# Altium PCB PCB2.PcbDoc (part 3 of 3)
Units mil, origin at the board's own origin, x right, y up, seen from the top; angles counter-clockwise.
Board outline 8413.39 x 5625.98 mil, 6 copper layers (Top Layer, GND1, Misc, Power, GND2, Bottom Layer), stack 58.89 mil thick; 205 components, 372 nets, 1456 pads, 1132 vias.
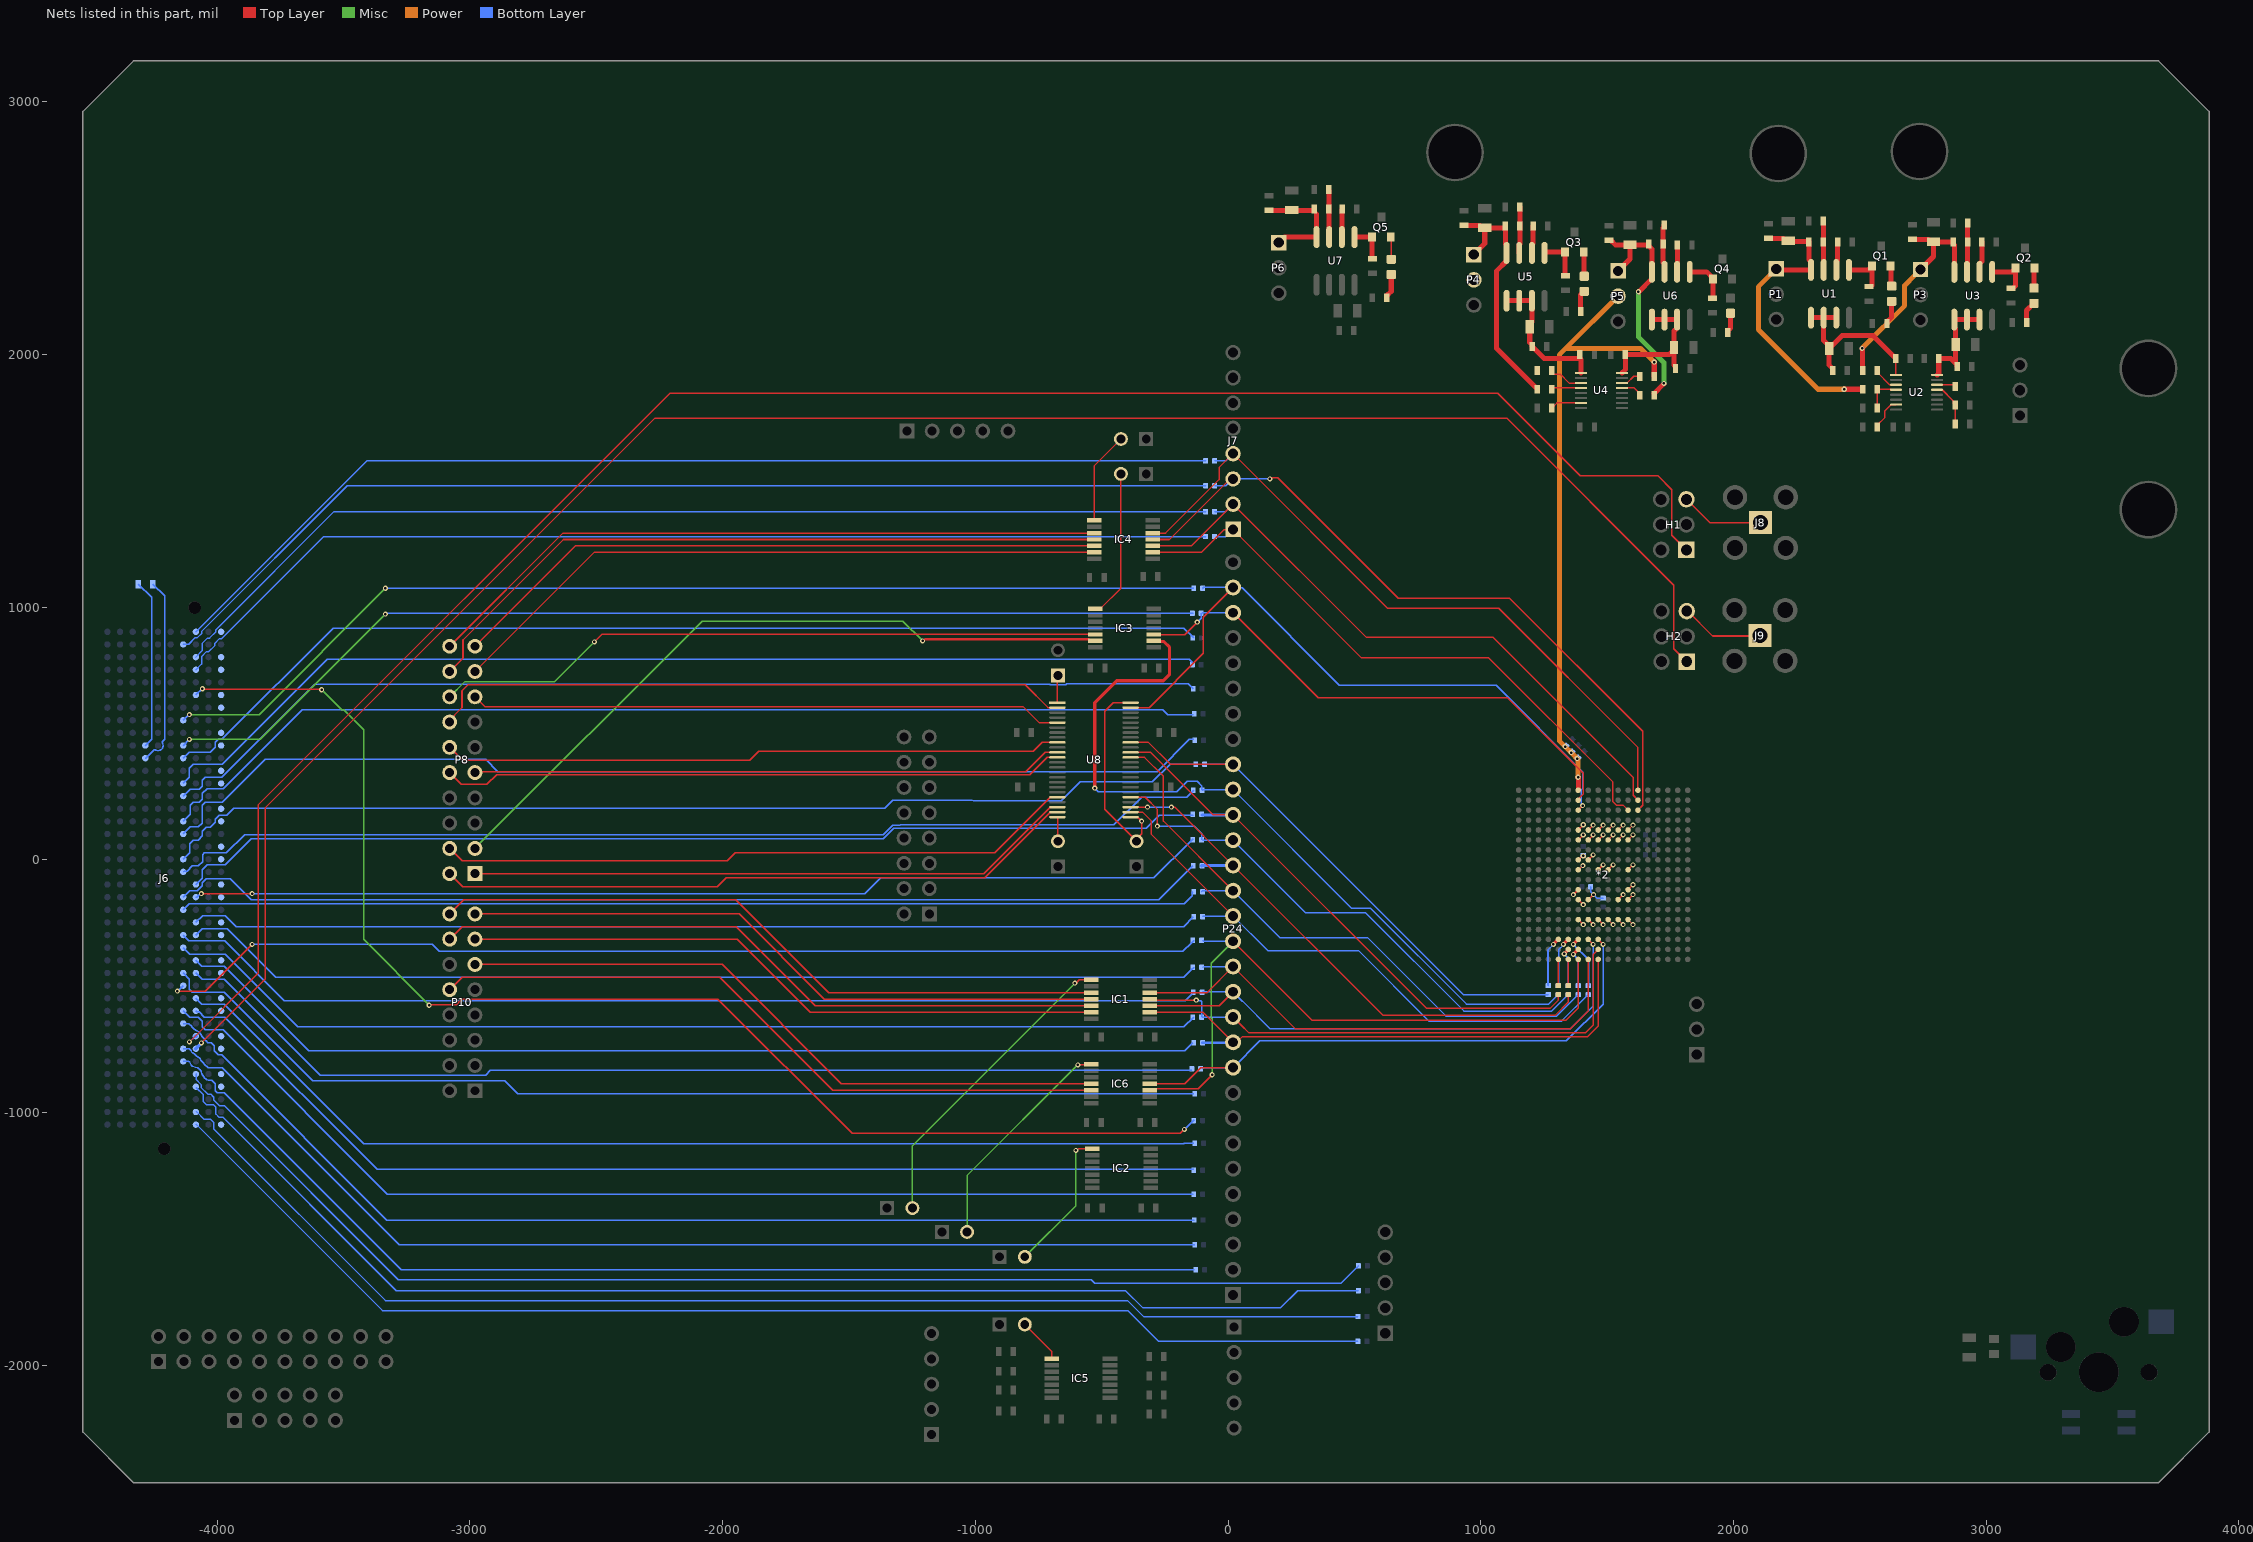
[diagram p7: the nets of this part, all layers, seen from the top]

## Via types
v1: diameter 20, hole 10, Top Layer to Bottom Layer, 828 vias
v2: diameter 20, hole 10, Top Layer to Bottom Layer, tented both sides, 304 vias

## Nets (pads, with @x,y where several pads share a name; then routed paths per layer and width w, separated by ;. In a path a pad name is that pad's centre, name@x,y a point inside that pad or via, vN(x,y) a via of type N, cw(c..) or ccw(c..) an arc to the next point about the centre after c; other vN are vias at no path point) (continued)
JTAG_TRSTn_3V3: P8.15 U8.5 | length 2347.3
  Top Layer w6: P8.15@-2980.32,645.28 -2941.34,606.3 -811.02,606.3 -748.03,543.31 U8.5@-675.23,543.31
k1: J6.K1
k4: J6.K4
k5: J6.K5
k7: J6.K7
k8: J6.K8
k10: J6.K10
k11: J6.K11
k13: J6.K13
k14: J6.K14
k16: J6.K16
k17: J6.K17
k19: J6.K19
k20: J6.K20
k22: J6.K22
k23: J6.K23
k25: J6.K25
k26: J6.K26
k28: J6.K28
k29: J6.K29
k31: J6.K31
k32: J6.K32
k34: J6.K34
k35: J6.K35
k37: J6.K37
k38: J6.K38
k40: J6.K40
Net*2_275: *2.275 R88.1 | length 200.8
  Top Layer w12.82: v2(1287.4,-334.65) *2.275@1307.09,-314.96
  Bottom Layer w6: R88.1@1267.72,-498.03 1265.99,-496.31 1265.99,-356.05 v2(1287.4,-334.65)
Net*2_276: *2.276 R87.1 | length 199.4
  Top Layer w12.82: v2(1326.77,-334.65) *2.276@1346.46,-314.96
  Bottom Layer w6: R87.1@1307.09,-498.03 1308.81,-496.31 1308.81,-354.55 1326.77,-336.59 v2(1326.77,-334.65)
Net*2_277: *2.277 R86.1 | length 217.1
  Top Layer w12.82: v2(1366.14,-334.65) *2.277@1385.83,-314.96
  Bottom Layer w6: v2(1366.14,-334.65) 1426.92,-395.42 1426.92,-496.31 R86.1@1425.2,-498.03
Net*2_294: *2.294 R85.1 | length 157.2
  Top Layer w12.82: v2(1330.22,-372.1) 1330.22,-371.34 1346.46,-355.1 *2.294@1346.46,-354.33
  Bottom Layer w6: v2(1330.22,-372.1) 1330.22,-373.37 1346.46,-389.61 R85.1@1346.46,-498.03
Net*2_295: *2.295 R84.1 | length 160
  Top Layer w12.82: v2(1366.14,-374.02) *2.295@1385.83,-354.33
  Bottom Layer w6: v2(1366.14,-374.02) 1385.83,-393.7 R84.1@1385.83,-498.03
Net*2_311: *2.311 R83.1 | length 104.3
  Top Layer w6: R83.1@1307.09,-498.03 *2.311@1307.09,-393.7
Net*2_312: *2.312 R82.1 | length 104.3
  Top Layer w6: R82.1@1346.46,-498.03 *2.312@1346.46,-393.7
NetC1_1: C1.1 U2.7 | length 131.6
  Top Layer w6: C1.1@2568.11,1712.6 2568.11,1719.49 2599.28,1750.66 2599.28,1777.38 2623.08,1801.18 U2.7@2643.31,1801.18
NetC7_2: C7.2 U1.6 | length 112.4
  Top Layer w20: U1.6@2406.89,2334.65 2406.89,2367.12 2412.2,2372.44 C7.2@2412.2,2444.88
NetC8_1: C8.1 U4.7 | length 124.3
  Top Layer w6: C8.1@1280.71,1787.4 1301.5,1808.19 U4.7@1396.42,1808.19
NetC17_2: C17.2 U3.6 | length 121.9
  Top Layer w20: U3.6@2973.82,2326.77 2973.82,2359.25 2983.07,2368.5 C17.2@2983.07,2444.88
NetC25_2: C25.2 U5.6 | length 108.5
  Top Layer w20: U5.6@1202.17,2401.58 1202.17,2434.05 1207.48,2439.37 C25.2@1207.48,2507.87
NetC33_2: C33.2 U6.6 | length 106.9
  Top Layer w20: U6.6@1776.97,2326.77 1777.66,2327.46 1777.66,2432.38 C33.2@1778.35,2433.07
NetC38_2: C38.2 U7.6 | length 108.9
  Top Layer w20: U7.6@450.2,2464.57 C38.2@450.2,2573.43
NetD1_A: D1.A R12.2 | length 95.9
  Top Layer w20: R12.2@2607.48,2122.05 2607.48,2128.94 2625.98,2147.44 D1.A@2625.98,2210.24
NetD1_C: D1.C Q1.2 | length 81.9
  Top Layer w20: Q1.2@2622.05,2350.39 2624.02,2348.43 2624.02,2272.05 D1.C@2625.98,2270.08
NetD2_A: D2.A R22.2 | length 88.7
  Top Layer w20: R22.2@3159.84,2125.98 3159.84,2173.62 3188.58,2202.36 D2.A@3188.98,2202.36
NetD2_C: D2.C Q2.2 | length 81.1
  Top Layer w20: D2.C@3188.98,2262.2 3189.96,2263.19 3189.96,2341.54 Q2.2@3190.94,2342.52
NetD3_A: D3.A R26.2 | length 86.6
  Top Layer w20: R26.2@1394.88,2169.29 1394.88,2235.43 1409.06,2249.61 D3.A@1409.45,2249.61
NetD3_C: D3.C Q3.2 | length 96.9
  Top Layer w20: Q3.2@1407.48,2405.51 1408.46,2404.53 1408.46,2310.43 D3.C@1409.45,2309.45
NetD4_A: D4.A R30.2 | length 80.8
  Top Layer w20: R30.2@1977.56,2086.61 1977.56,2093.5 1988.19,2104.13 D4.A@1988.19,2162.99
NetD5_A: D5.A R34.2 | length 99.8
  Top Layer w6: R34.2@627.17,2224.41 R34.2@627.17,2231.3
  Top Layer w20: R34.2@627.17,2231.3 645.67,2249.8 D5.A@645.67,2316.54
NetD5_C: D5.C Q5.2 | length 89
  Top Layer w6: Q5.2@643.7,2464.57 645.67,2462.6 D5.C@645.67,2376.38
NetH1_1: H1.1 J6.H8 | length 7775.4
  Top Layer w6: v2(-4110.24,-720.47) -3838.58,-448.82 -3838.58,216.54 -2208.66,1846.46 13.2,1846.46 cw(c19.68,1807.48) 26.17,1846.46 1066.93,1846.46 1393.7,1519.68 1700.79,1519.68 1755.91,1464.57 1755.91,1284.65 H1.1@1813.78,1226.77
  Bottom Layer w6: v2(-4110.24,-720.47) J6.H8@-4087.4,-697.64
  Bottom Layer w12.82: J6.H8@-4087.4,-697.64 J6.H8@-4084.65,-697.64 J6.H8@-4083.46,-697.64
NetH1_5: H1.5 J8.1 | length 330.7
  Top Layer w6: H1.5@1813.78,1426.77 1905.91,1334.65 J8.1@2106.3,1334.65
NetH2_1: H2.1 J6.H7 | length 7877.3
  Top Layer w6: v2(-4062.99,-724.41) -3811.02,-472.44 -3811.02,204.72 -2267.72,1748.03 1102.36,1748.03 1763.78,1086.61 1763.78,835.43 H2.1@1814.96,784.25
  Bottom Layer w12.82: J6.H7@-4084.65,-747.64 -4084.65,-746.85 -4062.99,-725.2 v2(-4062.99,-724.41)
NetH2_5: H2.5 J9.1 | length 331
  Top Layer w6: H2.5@1814.96,984.25 1818.9,984.25 1917.32,885.83 2102.36,885.83 J9.1@2104.33,887.8
NetIC1_8: IC1.8 P14.2 | length 1227.2
  Top Layer w6: v2(-606.3,-488.19) -602.36,-488.19 -588.58,-474.41 IC1.8@-540.87,-474.41
  Misc w6: P14.2@-1249.21,-1377.95 -1249.21,-1131.1 v2(-606.3,-488.19)
NetIC2_8: IC2.8 P16.2 | length 572.8
  Top Layer w6: v2(-602.36,-1149.61) -598.57,-1149.61 -592.67,-1143.7 IC2.8@-536.93,-1143.7
  Misc w6: P16.2@-804.33,-1570.87 -602.36,-1368.9 v2(-602.36,-1149.61)
NetIC3_8: IC3.8 P17.2 | length 587.2
  Top Layer w6: IC3.8@-525.12,994.09 -504.94,994.09 -424.02,1075.02 P17.2@-424.02,1527.56
NetIC4_8: IC4.8 P20.2 | length 364.4
  Top Layer w6: IC4.8@-529.06,1344.49 -529.06,1560.31 P20.2@-424.02,1665.35
NetIC5_8: IC5.8 P22.2 | length 179.7
  Top Layer w6: P22.2@-804.33,-1838.58 -698.35,-1944.57 IC5.8@-698.35,-1974.41
NetIC6_8: IC6.8 P23.2 | length 897.4
  Top Layer w6: v2(-594.49,-811.02) -593.5,-810.04 -541.85,-810.04 IC6.8@-540.87,-809.06
  Misc w6: P23.2@-1032.68,-1472.44 -1032.68,-1249.21 v2(-594.49,-811.02)
NetJ6_D30: J6.D30 R75.2 | length 757.9
  Bottom Layer w5: J6.D30@-4284.65,402.36 -4282.68,402.36 -4249.36,435.68 -4247.29,435.68 -4245.86,435.68 ccw(c-4234.65,452.36) -4217.96,463.57 -4217.96,465 -4217.96,467.08 -4208.66,476.38 -4208.66,1044.49 R75.2@-4254.72,1090.55
NetJ6_D31: J6.D31 R75.1 | length 670.2
  Bottom Layer w5: R75.1@-4312.2,1090.55 -4259.84,1038.19 -4259.84,477.17 J6.D31@-4284.65,452.36
NetJ6_G6: J6.G6 R47.2 | length 4363
  Bottom Layer w5: J6.G6@-4134.65,-797.64 -4113.96,-797.64 cw(c-4113.96,-802.64) -4113.9,-797.64 -4112.94,-797.65 -4112.05,-798.02 cw(c-4113.96,-802.64) -4109.18,-801.17 ccw(c-4081.39,-792.69) -4101.98,-813.19 ccw(c-4087.72,-799.02) -4096.19,-817.25 ccw(c-4060.54,-740.5) -4078.07,-823.29 cw(c-4093.28,-857.4) -4068.17,-829.74 cw(c-4079.61,-842.39) -4062.99,-838.58 ccw(c-4013.42,-827.33) -4048.8,-863.83 ccw(c-4025.82,-840.06) -4031.46,-872.64 -4021.06,-872.64 -4007.87,-885.83 -4007.87,-913.39 -4000,-921.26 -3972.44,-921.26 -3271.65,-1622.05 R47.2@-133.86,-1622.05
NetJ6_G7: J6.G7 R48.2 | length 4326.3
  Bottom Layer w5: J6.G7@-4134.65,-747.64 -4110.63,-747.64 -4103.4,-754.87 ccw(c-4084.65,-747.64) -4091.88,-766.39 -4080.24,-778.03 cw(c-4084.65,-797.64) -4065.04,-793.23 ; -4065,-793.26 -4064.1,-794.17 ccw(c-4060.54,-790.66) -4064.05,-794.22 -4053.4,-804.87 ccw(c-4034.65,-797.64) -4041.88,-816.39 -4036.9,-821.37 -4035.43,-822.83 -3981.03,-822.83 -3280.24,-1523.62 R48.2@-131.89,-1523.62
NetJ6_G9: J6.G9 R49.2 | length 4335.6
  Bottom Layer w5: J6.G9@-4134.65,-647.64 -4112.2,-647.64 -4101.9,-657.94 ccw(c-4084.65,-647.64) -4098.86,-661.85 ccw(c-4012.54,-575.54) -4081.57,-676.21 ccw(c-4078.74,-672.09) -4080.47,-676.78 cw(c-4092.18,-709.01) -4074,-679.94 cw(c-4084.66,-696.97) -4070.83,-682.4 cw(c-4074.28,-686.01) -4069.94,-683.53 -4069.49,-684.31 ccw(c-4065.15,-681.83) -4069.06,-684.95 cw(c-4084.65,-697.64) -4066.04,-690.03 ccw(c-4061.43,-688.1) -4065.57,-690.9 -4065.45,-691.08 ccw(c-3952.66,-614.96) -4051.99,-707.96 cw(c-4055.66,-711.36) -4051.46,-708.65 ccw(c-4034.65,-697.64) -4044.95,-714.9 -4044.53,-715.31 -4036.9,-722.94 -4035.43,-724.41 -4023.62,-724.41 -4011.81,-736.22 -4011.81,-755.91 -3996.06,-771.65 -3982.21,-771.65 -3328.66,-1425.2 R49.2@-133.86,-1425.2
NetJ6_G10: J6.G10 R50.2 | length 4310.5
  Bottom Layer w5: J6.G10@-4134.65,-597.64 -4109.43,-622.86 -4074.98,-622.86 -4059.65,-638.19 -4059.65,-660.83 -4047.24,-673.23 -3976.38,-673.23 -3326.77,-1322.83 R50.2@-137.8,-1322.83
NetJ6_G12: J6.G12 R53.2 | length 4160.2
  Top Layer w5: v2(-4157.48,-519.68) -4047.24,-519.68 v2(-3862.2,-334.65)
  Bottom Layer w5: v2(-4157.48,-519.68) -4156.69,-519.68 J6.G12@-4134.65,-497.64 ; v2(-3862.2,-334.65) -3149.61,-334.65 -3122.05,-362.2 -179.13,-362.2 -144.15,-327.22 -143.17,-327.22 -135.83,-319.88 R53.2@-135.83,-318.9
NetJ6_G13: J6.G13 R54.2 | length 4219.9
  Bottom Layer w5: J6.G13@-4134.65,-447.64 -4110.24,-472.05 -4110.24,-511.81 -4098.43,-523.62 -3972.44,-523.62 -3622.05,-874.02 -2862.2,-874.02 -2811.02,-925.2 R54.2@-135.83,-925.2
NetJ6_G15: J6.G15 R57.2 | length 4145.1
  Bottom Layer w5: J6.G15@-4134.65,-347.64 -4108.27,-374.02 -3968.5,-374.02 -3681.1,-661.42 -175.2,-661.42 R57.2@-135.83,-622.05
NetJ6_G16: J6.G16 R58.2 | length 4120
  Bottom Layer w5: J6.G16@-4134.65,-297.64 -4111.88,-320.41 -3970.93,-320.41 -3734.39,-556.95 -169.15,-556.95 R58.2@-135.83,-523.62
NetJ6_G18: J6.G18 R61.2 | length 4032.6
  Bottom Layer w5: J6.G18@-4134.65,-197.64 -4110.24,-173.23 -173.23,-173.23 -141.38,-141.38 -141.38,-127.6 R61.2@-139.76,-125.98
NetJ6_G19: J6.G19 R62.2 | length 4121.7
  Bottom Layer w5: J6.G19@-4134.65,-147.64 -4109.06,-122.05 -4078.74,-122.05 -4059.06,-102.36 -4059.06,-90.55 -4043.31,-74.8 -3948.82,-74.8 -3866.14,-157.48 -273.62,-157.48 R62.2@-139.76,-23.62
NetJ6_G21: J6.G21 R65.2 | length 4149.2
  Bottom Layer w5: J6.G21@-4134.65,-47.64 -4131.54,-44.53 -4119.33,-44.53 -4099,-24.2 -4075.38,-24.2 -4057.98,-6.79 -4057.98,20.76 -4051.18,27.56 -3963.91,27.56 -3891.29,99.47 -1365.1,99.47 -1326.77,137.8 -1297.17,137.8 -1296.72,138.25 -452.14,138.25 -342.36,248.03 -163.39,248.03 -144.15,267.26 -143.17,267.26 -135.83,274.61 R65.2@-135.83,275.59
NetJ6_G22: J6.G22 R66.2 | length 4196.4
  Bottom Layer w5: J6.G22@-4134.65,2.36 -4109.43,27.58 -4109.43,63.8 -4095.87,77.36 -4076.18,77.36 -4059.06,94.49 -4059.06,114.17 -4043.31,129.92 -4027.56,129.92 -4007.87,149.61 -4007.87,161.42 -3992.13,177.17 -3961.54,177.17 -3933.98,204.72 -1358.27,204.72 -1326.69,236.3 -1011.9,236.3 -1009.06,233.47 -660.23,233.47 -585.35,308.35 -299.35,308.35 -229.74,377.95 R66.2@-135.83,377.95
NetJ6_G24: J6.G24 R67.2 | length 4236.2
  Bottom Layer w5: J6.G24@-4134.65,102.36 -4106.97,130.03 -4074.69,130.03 -4059.06,145.67 -4059.06,216.54 -4047.24,228.35 -3980.24,228.35 -3810.95,397.64 -2938.52,397.64 -2889.13,348.25 -1166.56,348.25 -1165.6,349.21 -280.71,349.21 -153.54,476.38 R67.2@-135.83,476.38
NetJ6_G25: J6.G25 R68.2 | length 4223
  Bottom Layer w5: J6.G25@-4134.65,152.36 -4106.97,180.03 -4106.97,215.86 -4094.49,228.35 -4070.87,228.35 -4059.06,240.16 -4059.06,263.78 -4040.57,282.26 -3976.32,282.26 -3664.1,594.49 -258.39,594.49 -238.7,574.8 R68.2@-137.8,574.8
NetJ6_G27: J6.G27 R69.2 | length 4203.9
  Bottom Layer w5: J6.G27@-4134.65,252.36 -4106.97,280.03 -4070.36,280.03 -4059.06,291.34 -4059.06,314.96 -4047.24,326.77 -3981.81,326.77 -3613.92,694.67 -705.51,694.67 -704.31,693.47 -642.15,693.47 -638.77,696.85 -157.48,696.85 R69.2@-137.8,677.17
NetJ6_G28: J6.G28 R70.2 | length 4230.7
  Bottom Layer w5: J6.G28@-4134.65,302.36 -4110.24,326.77 -4110.24,362.2 -4094.49,377.95 -3980.63,377.95 -3565.12,793.47 -153.17,793.47 -135.83,776.12 R70.2@-135.83,775.59
NetJ6_G30: J6.G30 R71.2 | length 4240
  Bottom Layer w5: J6.G30@-4134.65,402.36 -4111.81,425.2 -4027.56,425.2 -4007.87,444.88 -4007.87,464.57 -3996.06,476.38 -3982.21,476.38 -3541.26,917.32 -175.2,917.32 R71.2@-135.83,877.95
NetJ6_G31: J6.G31 R72.2 | length 4214.5
  Misc w5: v2(-4110.24,476.38) -3830.71,476.38 v2(-3334.65,972.44)
  Bottom Layer w5: J6.G31@-4134.65,452.36 -4110.63,476.38 v2(-4110.24,476.38) ; v2(-3334.65,972.44) -3334.65,973.45 -3331.72,976.38 R72.2@-137.8,976.38
NetJ6_G33: J6.G33 R73.2 | length 4215.2
  Misc w5: v2(-4110.24,574.8) -3834.65,574.8 v2(-3334.65,1074.8)
  Bottom Layer w5: J6.G33@-4134.65,552.36 -4112.2,574.8 v2(-4110.24,574.8) ; v2(-3334.65,1074.8) R73.2@-135.83,1074.8
NetJ6_G39: J6.G39 R79.1 | length 4311
  Bottom Layer w6: J6.G39@-4134.65,852.36 -4133.92,853.09 -4113.05,853.09 -4086.8,879.33 -4078.54,879.33 -4060.86,897.02 -4060.86,905.28 -3485.82,1480.32 R79.1@-88.58,1480.32
NetJ6_H1: J6.H1 R43.2 | length 4952
  Bottom Layer w6: J6.H1@-4082.68,-1047.24 -3346.46,-1783.46 -396.83,-1783.46 -274.78,-1905.51 R43.2@513.78,-1905.51
NetJ6_H2: J6.H2 R44.2 | length 4947.4
  Bottom Layer w6: J6.H2@-4082.68,-996.06 -4051.7,-1027.04 -4026.11,-1027.04 -4014.05,-1039.11 -4014.05,-1064.69 -3334.65,-1744.09 -397.64,-1744.09 -334.65,-1807.09 R44.2@513.78,-1807.09
NetJ6_H4: J6.H4 R45.2 | length 5018.6
  Bottom Layer w6: J6.H4@-4082.83,-901.42 -4055.24,-929.01 -4055.24,-956.17 -4043.18,-968.24 -4016.02,-968.24 -4005.24,-979.01 -4005.24,-1006.17 -3993.18,-1018.24 -3977.83,-1018.24 -3291.34,-1704.72 -775.59,-1704.72 -405.51,-1704.72 -338.58,-1771.65 208.37,-1771.65 275.3,-1704.72 R45.2@515.75,-1704.72
NetJ6_H5: J6.H5 R46.2 | length 4998.8
  Bottom Layer w6: J6.H5@-4082.68,-846.18 -4082.68,-870.48 -4064.05,-889.11 -4064.05,-900.52 -4037.53,-927.04 -4026.11,-927.04 -4014.05,-939.11 -4014.05,-950.52 -3992.13,-972.44 -3972.44,-972.44 -3283.46,-1661.42 -541.62,-1661.42 -527.56,-1675.48 446.57,-1675.48 507.92,-1614.13 508.91,-1614.13 515.75,-1607.28 R46.2@515.75,-1606.3
NetJ6_H10: J6.H10 R51.2 | length 4208.4
  Bottom Layer w5: J6.H10@-4084.65,-597.64 -4080.78,-601.5 -4071.73,-601.5 -4051.18,-622.05 -3969.9,-622.05 -3367.54,-1224.41 R51.2@-135.83,-1224.41
NetJ6_H11: J6.H11 R52.2 | length 4188.2
  Bottom Layer w5: J6.H11@-4084.65,-547.64 -4061.42,-570.87 -3972.44,-570.87 -3419.51,-1123.8 -174.51,-1123.8 -172.76,-1122.05 R52.2@-135.83,-1122.05
NetJ6_H13: J6.H13 R55.2 | length 4116.3
  Bottom Layer w5: J6.H13@-4084.65,-447.64 -4059.84,-472.44 -3972.44,-472.44 -3593.13,-851.75 -2938.37,-851.75 -2919.25,-832.64 R55.2@-143.66,-832.64
NetJ6_H14: J6.H14 R56.2 | length 4106.3
  Bottom Layer w5: J6.H14@-4084.65,-397.64 -4061.02,-421.26 -3972.44,-421.26 -3637.8,-755.91 -171.26,-755.91 R56.2@-139.76,-724.41
NetJ6_H16: J6.H16 R59.2 | length 4056.4
  Bottom Layer w5: J6.H16@-4084.65,-297.64 -4058.66,-271.65 -3960.63,-271.65 -3767.72,-464.57 -175.2,-464.57 -144.15,-433.52 -143.17,-433.52 -135.83,-426.18 R59.2@-135.83,-425.2
NetJ6_H17: J6.H17 R60.2 | length 3992.9
  Bottom Layer w5: J6.H17@-4084.65,-247.64 -4057.48,-220.47 -3968.5,-220.47 -3925.2,-263.78 -176.18,-263.78 -137.8,-225.39 R60.2@-137.8,-224.41
NetJ6_H19: J6.H19 R63.2 | length 4040.9
  Top Layer w5: v2(-4062.99,-133.86) v2(-3862.2,-133.86)
  Bottom Layer w5: J6.H19@-4084.65,-147.64 -4080.71,-147.64 -4066.93,-133.86 v2(-4062.99,-133.86) ; v2(-3862.2,-133.86) -1437.01,-133.86 -1374.02,-70.87 -293.31,-70.87 -148.09,74.35 -147.11,74.35 -139.76,81.69 R63.2@-139.76,82.68
NetJ6_H20: J6.H20 R64.2 | length 4079.8
  Bottom Layer w5: J6.H20@-4084.65,-97.64 -4059.06,-72.05 -4059.06,-39.37 -4039.37,-19.68 -3968.5,-19.68 -3865.52,83.3 -1365.52,83.3 -1322.83,125.98 -322.83,125.98 -271.65,177.17 R64.2@-137.8,177.17
NetJ6_H35: J6.H35 R76.2 | length 5220
  Top Layer w5: v2(-4059.06,677.17) -4057.09,675.2 -3588.58,675.2 v2(-3586.61,673.23) ; v2(-3161.38,-575.45) -3159.43,-573.49 -3054.71,-573.49 -3032.97,-551.75 -2019.11,-551.75 -1488.19,-1082.68 -188.98,-1082.68 v2(-173.23,-1066.93)
  Misc w5: v2(-3586.61,673.23) -3506.44,593.05 -3498.56,593.05 -3421.26,515.75 -3421.26,-314.96 -3161.38,-574.84 v2(-3161.38,-575.45)
  Bottom Layer w5: J6.H35@-4084.65,652.36 -4059.84,677.17 v2(-4059.06,677.17) ; v2(-173.23,-1066.93) -172.24,-1066.93 -133.86,-1028.54 R76.2@-133.86,-1027.56
NetJ6_H37: J6.H37 R77.2 | length 4236.3
  Bottom Layer w6: J6.H37@-4084.65,752.36 -4062.08,774.93 -4062.08,804.06 -4042.19,823.95 -4033.93,823.95 -4009.15,848.72 -4009.15,856.99 -3990.73,875.41 -3982.47,875.41 -3578.35,1279.53 R77.2@-88.58,1279.53
NetJ6_H38: J6.H38 R78.2 | length 4256.4
  Bottom Layer w6: J6.H38@-4084.65,802.36 -4059.87,827.13 -4059.87,856.26 -4038.78,877.36 -4030.52,877.36 -4005.24,902.63 -4005.24,910.89 -3538.19,1377.95 R78.2@-88.58,1377.95
NetJ6_H40: J6.H40 R80.2 | length 4276.2
  Bottom Layer w6: J6.H40@-4084.65,902.36 -3408.27,1578.74 R80.2@-88.58,1578.74
NetP11_1: P11.1 U8.1 | length 108.3
  Top Layer w5: U8.1@-675.23,622.05 -675.23,727.53 P11.1@-673.23,729.53
NetP12_2: P12.2 U8.24 | length 96.5
  Top Layer w5: U8.24@-675.23,169.29 -673.23,167.29 P12.2@-673.23,73.62
NetP13_2: P13.2 U8.25 U8.48 | length 820.7
  Top Layer w5: U8.25@-385.83,169.29 -358.24,169.29 v2(-342.52,153.54) ; U8.48@-385.83,622.05 -453.76,622.05 -456.69,619.12 -456.69,618.87 -488.19,587.37 -488.19,199.61 P13.2@-362.2,73.62 -362.2,83.83 -342.52,103.52 v2(-342.52,153.54)